# KiCad board AppleII.kicad_pcb (continued)
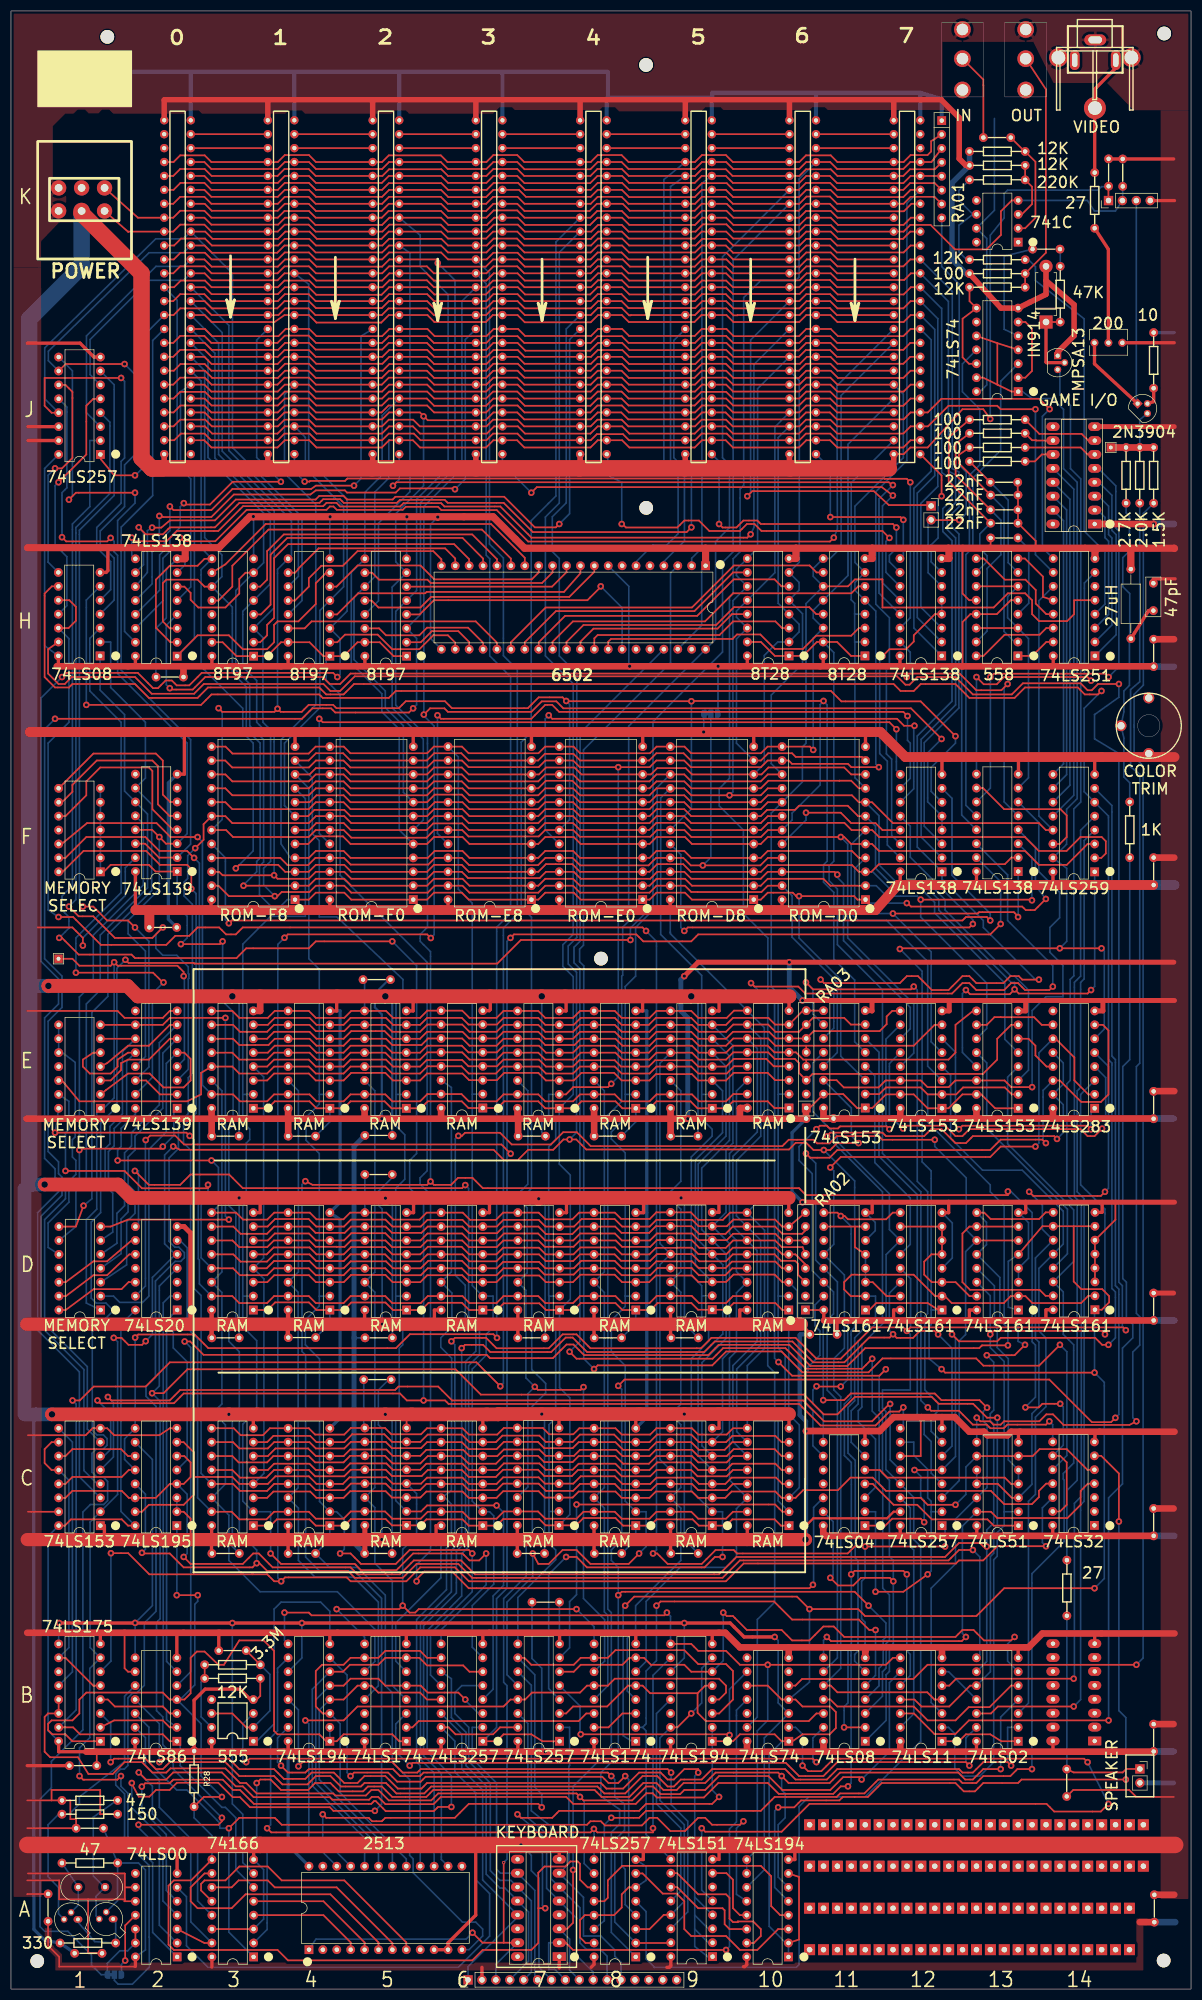
[diagram p0: board, top side]
## Routing (per net, layer and track width the routed paths; a pad name or vN(x,y) marks a point on that pad's centre or on a via; arc(x,y) is an arc through that point) (continued)
KBD_STB: length 50.6
  Top w0.3: v1(104.06,46.51) 131.11,46.51 v1(131.24,46.38)
  Bottom w0.3: v1(131.24,46.38) 131.24,54.74 B10.9 ; v1(104.06,46.51) 103.94,46.63 103.94,51.66 B7.5
LD194: length 166
  Top w0.3: B9.9 124.26,63.02 125.53,61.75 130.61,61.75 133.15,59.21 v1(138.23,59.21) 159.82,59.21 161.09,60.48 B12.8 ; v1(49.96,68.73) 54.41,68.73 54.91,68.23 119.31,68.23 v1(119.81,68.73)
  Bottom w0.3: v1(119.81,68.73) 120.47,68.07 B9.9 ; v1(49.96,68.73) 49.96,63.68 B4.9 ; v1(138.23,59.21) 138.23,49.05 136.32,47.14 136.32,25.58 A10.9 A10.10
MemSelE1: length 85.1
  Bottom w0.3: C1.7 13.94,102.24 13.94,113.64 6.15,121.44 6.15,140.49 9.96,144.3 9.96,146.84 11.86,148.74 11.86,151.28 11.23,151.92 11.23,155.09 11.73,155.6 11.73,169.19 9.58,170.84 E1.10 E1.8
NC1: length 140.8
  Top w0.3: SLOT7.19 164.46,325.96 163.09,324.59 150.95,324.59 149.58,325.96 SLOT6.19 145.21,325.96 143.94,324.69 132,324.69 130.73,325.96 SLOT5.19 126.16,325.96 124.89,324.69 113,324.69 111.73,325.96 SLOT4.19 107.01,325.96 105.69,324.64 93.8,324.64 92.48,325.96 SLOT3.19 88.11,325.96 86.79,324.64 79.88,324.64 78.56,325.96 69.01,325.96 67.69,324.64 55.7,324.64 54.38,325.96 SLOT1.19 50.01,325.96 48.74,324.69 36.65,324.69 35.38,325.96 SLOT0.19
NC2: length 140.4
  Top w0.3: SLOT0.35 29.79,318.34 31.06,319.61 35.43,319.61 36.7,318.34 SLOT1.35 48.79,318.34 50.01,319.56 54.48,319.56 55.7,318.34 SLOT2.35 67.84,318.34 69.06,319.56 78.61,319.56 79.83,318.34 SLOT3.35 86.89,318.34 88.16,319.61 92.43,319.61 93.7,318.34 SLOT4.35 105.94,318.34 107.21,319.61 111.63,319.61 112.9,318.34 SLOT5.35 125.04,318.34 126.26,319.56 130.68,319.56 131.9,318.34 SLOT6.35 144.04,318.34 145.26,319.56 149.68,319.56 150.9,318.34 SLOT7.35
PHI0: length 906
  Top w0.3: v1(154.81,154.46) 150.9,154.46 149.63,153.19 v1(148.46,153.19) 146.58,153.19 145.26,154.51 143.33,154.51 142.11,153.29 105.08,153.29 103.25,155.12 v1(102.03,155.12) 100.91,155.12 99.03,153.24 94.46,153.24 92.53,151.31 90.09,151.31 88.16,153.24 30.86,153.24 v1(29.64,153.85) ; v1(22.66,276.38) 18.85,276.38 16.43,279.3 J1.1 ; v1(163.63,75.72) 162.99,76.35 154.1,76.35 v1(153.47,75.72) ; v1(152.17,47.78) B11.2 ; SLOT7.40 150.85,305.64 149.58,306.91 145.31,306.91 144.04,305.64 SLOT6.40 132.71,305.64 132.66,305.59 131.95,305.59 130.68,306.86 126.16,306.86 124.94,305.64 SLOT5.40 113.26,305.64 113.21,305.59 112.9,305.59 111.53,306.96 107.21,306.96 105.89,305.64 SLOT4.40 93.85,305.64 92.63,306.86 88.01,306.86 86.79,305.64 SLOT3.40 77.24,305.64 76.02,306.86 68.96,306.86 67.74,305.64 SLOT2.40 55.6,305.64 54.38,306.86 50.06,306.86 48.84,305.64 SLOT1.40 36.65,305.64 35.43,306.86 30.91,306.86 29.69,305.64 SLOT0.40 ; v1(24.61,118.29) 23.95,117.63 21.46,117.63 20.19,118.9 v1(18.77,118.9) ; E11.14 150.8,165.94 152.12,164.62 158.47,164.62 159.74,165.89 E12.14 166.19,165.89 167.41,164.67 171.27,164.67 172.49,165.89 E13.14 181.48,165.89 182.7,164.67 v1(186.51,164.67) ; v1(12.52,38.89) 13.18,38.23 19.43,38.23 v1(20.09,38.89)
  Bottom w0.3: v1(186.51,164.67) 186.51,178.64 189.05,181.18 192.15,181.18 192.15,186.92 189.76,189.31 189.76,193.83 191.54,195.61 191.54,200.23 187.73,204.04 187.73,212.98 F13.6 ; E11.14 153.49,160.86 153.49,155.78 v1(154.81,154.46) ; B12.10 164.26,57.23 164.26,61.11 163.63,61.75 v1(163.63,75.72) ; A2.1 25.88,10.34 25.88,23.09 21.36,27.61 21.36,35.74 20.09,37.01 v1(20.09,38.89) ; v1(24.61,118.29) 25.83,119.51 25.83,129.92 30.05,134.14 D2.5 30,134.14 28.07,136.07 28.07,152.27 v1(29.64,153.85) ; v1(102.03,155.12) 103.3,156.39 103.3,185.65 101.78,187.17 101.78,190.42 103.35,192 103.35,240.21 100.15,243.41 100.15,261.19 98.88,262.46 98.88,268.81 101.42,271.35 101.42,303.1 SLOT4.40 ; v1(12.52,38.89) 12.52,44.02 14.4,45.9 14.4,58.55 B1.7 14.45,62.36 14.45,85.27 C1.2 19.48,90.3 19.48,118.19 v1(18.77,118.9) ; v1(152.17,47.78) 152.17,51.54 152.88,52.25 152.88,62.41 153.49,63.02 153.49,75.69 v1(153.47,75.72) 153.49,75.74 153.49,96.14 152.22,97.41 152.22,106.81 153.44,108.03 153.44,120.12 154.1,120.78 154.1,147.55 v1(148.46,153.19) ; 22.68,276.33 22.66,276.3 v1(22.66,276.38) 22.73,276.38 24.56,278.21 24.56,302.21 SLOT0.40 ; 16.54,279.32 J1.1
PHI1: length 798.4
  Top w0.3: SLOT7.38 150.9,310.72 149.58,312.04 145.31,312.04 143.99,310.72 SLOT6.38 131.85,310.72 130.63,311.94 126.21,311.94 124.99,310.72 SLOT5.38 112.85,310.72 111.58,311.99 107.21,311.99 105.94,310.72 SLOT4.38 93.8,310.72 92.58,311.94 88.06,311.94 86.84,310.72 SLOT3.38 77.24,310.72 75.97,311.99 69.11,311.99 67.84,310.72 SLOT2.38 55.7,310.72 54.48,311.94 49.96,311.94 48.74,310.72 SLOT1.38 36.65,310.72 35.43,311.94 31.01,311.94 29.79,310.72 SLOT0.38 ; v1(49.96,191.95) 50.57,192.56 76.02,192.56 v1(76.68,191.9) ; v1(169.98,228.24) 164.39,233.83 100.89,233.83 99.62,235.1 96.95,235.1 95.05,233.2 79.81,233.2 79.17,233.83 76.56,233.83 v1(75.41,232.69) ; v1(18.26,79.58) 21.41,79.58 25.27,75.72 46.81,75.72 48.08,74.45 v1(49.35,74.45) 50.06,75.16 61.34,75.16 62.05,74.45 72.21,74.45 74.75,76.99 81.1,76.99 83.64,74.45 130.58,74.45 133.83,77.7 172.59,77.7 173.15,78.26 177.57,78.26 180.16,80.85 v1(189.05,80.85)
  Bottom w0.3: v1(169.98,228.24) 167.44,225.7 167.44,216.76 F12.5 F12.4 ; v1(49.35,74.45) 48.74,75.06 48.74,190.73 v1(49.96,191.95) ; H2.5 32.84,256.01 32.84,275.72 30.35,278.21 30.35,308.36 SLOT0.38 ; v1(189.05,80.85) 188.39,81.51 188.39,87.86 C14.12 ; B1.6 18.26,59.87 v1(18.26,79.58) ; SLOT3.38 82.37,308.18 82.37,277.65 75.41,270.69 v1(75.41,232.69) 75.41,232.49 77.29,230.61 77.29,192.51 v1(76.68,191.9)
Q3: length 448.1
  Top w0.3: v1(88.77,118.9) 88.11,119.56 72.87,119.56 70.33,117.02 36.04,117.02 33.55,119.51 23.24,119.51 v1(22.68,118.95) ; SLOT7.37 150.9,313.26 149.63,314.53 145.26,314.53 143.99,313.26 SLOT6.37 131.8,313.26 130.58,314.48 126.16,314.48 124.94,313.26 SLOT5.37 112.8,313.26 111.53,314.53 107.16,314.53 105.89,313.26 SLOT4.37 93.75,313.26 92.48,314.53 88.11,314.53 86.84,313.26 SLOT3.37 77.24,313.26 75.97,314.53 69.06,314.53 67.79,313.26 SLOT2.37 55.7,313.26 54.43,314.53 49.96,314.53 48.69,313.26 SLOT1.37 36.65,313.26 35.38,314.53 30.91,314.53 29.64,313.26 SLOT0.37 ; C2.12 21.51,94.77 20.24,93.5 11.23,93.5 9.96,92.23 C1.13
  Bottom w0.3: v1(22.68,118.95) C2.9 20.75,100.46 20.75,96.7 C2.12 ; v1(88.77,118.9) 88.72,118.95 88.72,193.88 91.26,196.42 91.26,239.6 87.45,243.41 87.45,261.14 86.79,261.8 86.79,311.38 SLOT3.37
RA0: length 434.6
  Top w0.3: E3.10 40.56,176.05 41.83,174.78 46.79,174.78 48.06,176.05 E4.10 54.53,176.05 55.68,174.9 60.88,174.9 62.03,176.05 E5.10 68.38,176.05 69.65,174.78 74.73,174.78 76.05,176.1 E6.10 82.42,176.1 83.74,174.78 88.7,174.78 89.97,176.05 E7.10 96.32,176.05 97.59,174.78 102.67,174.78 103.94,176.05 E8.10 110.29,176.05 111.56,174.78 116.64,174.78 117.91,176.05 E9.10 124.38,176.05 125.65,174.78 130.61,174.78 131.93,176.1 E10.10 138.3,176.1 139.62,174.78 143.94,174.78 RA03.7 146.48,177.32 152.2,177.32 153.42,176.1 E11.7 ; RA02.7 145.11,138.51 144.5,137.9 140.89,137.9 139.57,139.22 D10.10 131.85,139.22 130.51,137.88 125.67,137.88 124.28,139.27 D9.10 117.78,139.27 116.58,138.07 111.51,138.07 110.36,139.22 D8.10 103.91,139.22 102.54,137.85 97.71,137.85 96.34,139.22 D7.10 89.99,139.22 88.77,138 83.69,138 82.47,139.22 D6.10 76.12,139.22 74.97,138.07 69.6,138.07 68.45,139.22 D5.10 62.1,139.22 60.95,138.07 55.63,138.07 54.48,139.22 D4.10 48.08,139.22 46.76,137.9 41.94,137.9 40.61,139.22 D3.10 ; C3.10 40.56,99.85 41.71,98.7 46.91,98.7 48.06,99.85 C4.10 54.53,99.85 55.68,98.7 60.88,98.7 62.08,99.9 C5.10 68.45,99.9 69.6,98.75 74.9,98.75 76,99.85 C6.10 82.35,99.85 83.62,98.58 88.7,98.58 90.02,99.9 C7.10 96.27,99.9 97.42,98.75 102.58,98.75 103.68,99.85 C8.10 110.41,99.85 111.8,98.46 116.52,98.46 117.91,99.85 C9.10 124.26,99.85 125.65,98.46 130.36,98.46 131.75,99.85 C10.10
  Bottom w0.3: C10.10 132.56,101.78 132.56,113.21 136.93,117.58 136.93,136.73 D10.10 132.51,141.15 132.51,151.28 136.96,155.73 136.96,173.63 E10.10
RA1: length 449.5
  Top w0.3: 145.21,172.24 139.62,172.24 138.3,173.56 E10.11 131.93,173.56 130.61,172.24 125.65,172.24 124.38,173.51 E9.11 117.91,173.51 116.64,172.24 111.68,172.24 110.41,173.51 E8.11 104.06,173.51 102.91,172.36 97.59,172.36 96.44,173.51 E7.11 89.97,173.51 88.7,172.24 83.74,172.24 82.42,173.56 E6.11 76.17,173.56 74.97,172.36 69.65,172.36 68.5,173.51 E5.11 62.03,173.51 60.76,172.24 55.8,172.24 54.53,173.51 E4.11 48.18,173.51 47.04,172.36 44.63,172.36 44.62,172.36 41.71,172.36 40.56,173.51 E3.11 ; 145.21,172.24 145.26,172.19 RA03.5 ; 145.21,172.24 164.9,172.24 168.71,176.05 E12.7 ; C3.11 40.44,97.31 41.59,96.16 46.78,96.16 47.93,97.31 C4.11 54.41,97.31 55.56,96.16 60.75,96.16 61.95,97.36 C5.11 68.33,97.36 69.72,95.97 74.78,95.97 76.12,97.31 C6.11 82.22,97.31 83.61,95.92 88.58,95.92 90.02,97.36 C7.11 96.27,97.36 97.42,96.21 102.58,96.21 103.68,97.31 C8.11 110.41,97.31 111.8,95.92 116.52,95.92 117.91,97.31 C9.11 124.38,97.31 125.53,96.16 130.73,96.16 131.88,97.31 C10.11 ; RA02.5 144.6,135.46 140.79,135.46 139.57,136.68 D10.11 131.9,136.68 130.56,135.34 125.72,135.34 124.33,136.73 D9.11 117.98,136.73 116.76,135.51 111.63,135.51 110.46,136.68 D8.11 103.91,136.68 102.76,135.53 97.49,135.53 96.34,136.68 D7.11 89.94,136.68 88.72,135.46 83.64,135.46 82.42,136.68 D6.11 76.02,136.68 74.8,135.46 69.62,135.46 68.4,136.68 D5.11 62.1,136.68 60.93,135.51 59.51,135.51 59.49,135.53 55.63,135.53 54.48,136.68 D4.11 48.03,136.68 46.81,135.46 41.68,135.46 40.46,136.68 D3.11
  Bottom w0.3: C10.11 131.85,99.95 131.85,113.82 136.27,118.24 136.27,134.85 D10.11 131.88,139.24 131.88,152.04 136.32,156.49 136.32,171.73 E10.11
RA01-8: length 76.3
  Top w0.3: v1(173.2,268.2) 168.07,268.2 168.02,268.25
  Bottom w0.3: 173.25,268.2 v1(173.2,268.2) 173.2,268.15 173.25,268.2 ; 173.25,268.2 174.47,269.42 174.47,276.99 173.2,278.26 173.2,311.28 170,314.48 RA01.8 ; JP-User1.2 167.51,267.69 167.51,258.6 H12.6
RA2: length 467.6
  Top w0.3: C10.12 131.88,94.77 130.73,93.62 125.41,93.62 124.26,94.77 C9.12 117.91,94.77 116.76,93.62 111.56,93.62 110.41,94.77 C8.12 103.56,94.77 102.46,93.67 97.42,93.67 96.27,94.82 C7.12 89.89,94.82 88.57,93.5 83.62,93.5 82.35,94.77 C6.12 76.12,94.77 75.02,93.67 69.6,93.67 68.45,94.82 C5.12 62.08,94.82 60.88,93.62 55.56,93.62 54.41,94.77 C4.12 48.06,94.77 46.67,93.38 41.83,93.38 40.44,94.77 C3.12 ; E3.12 40.44,170.97 41.71,169.7 46.79,169.7 48.06,170.97 E4.12 54.53,170.97 55.8,169.7 60.76,169.7 62.03,170.97 E5.12 68.38,170.97 69.65,169.7 74.73,169.7 76.05,171.02 E6.12 82.42,171.02 83.74,169.7 88.7,169.7 89.97,170.97 E7.12 96.32,170.97 97.59,169.7 102.79,169.7 104.06,170.97 E8.12 110.41,170.97 111.68,169.7 116.64,169.7 117.91,170.97 E9.12 124.38,170.97 125.65,169.7 130.61,169.7 131.93,171.02 E10.12 138.3,171.02 139.5,169.82 143.18,169.82 143.94,169.06 143.94,167.26 RA03.3 146.41,167.09 177.53,167.09 180.14,169.7 180.14,173.51 182.68,176.05 E13.7 ; D3.12 40.61,134.14 41.94,132.82 46.76,132.82 48.08,134.14 D4.12 54.53,134.14 55.75,132.92 60.78,132.92 62,134.14 D5.12 68.35,134.14 69.62,132.87 74.8,132.87 76.07,134.14 D6.12 82.47,134.14 83.74,132.87 88.67,132.87 89.94,134.14 D7.12 96.44,134.14 97.66,132.92 102.69,132.92 103.91,134.14 D8.12 110.26,134.14 111.43,132.97 116.76,132.97 117.98,134.19 D9.12 124.38,134.19 125.7,132.87 130.58,132.87 131.85,134.14 D10.12 139.47,134.14 140.64,132.97 143.23,132.97 143.79,132.41 143.79,130.38 RA02.3
  Bottom w0.3: C9.12 118.54,96.7 118.54,132.26 D9.12 118.54,136.12 118.54,169.04 E9.12
RA3: length 408.9
  Top w0.3: RA02.8 D10.7 140.84,139.22 139.57,140.49 131.95,140.49 130.73,139.27 D9.7 125.6,139.27 124.43,140.44 117.88,140.44 116.66,139.22 D8.7 111.63,139.22 110.26,140.59 104.22,140.59 102.84,139.22 D7.7 97.61,139.22 96.39,140.44 89.94,140.44 88.72,139.22 D6.7 83.69,139.22 82.47,140.44 76.07,140.44 74.85,139.22 D5.7 69.67,139.22 68.4,140.49 62.1,140.49 60.83,139.22 D4.7 55.75,139.22 54.38,140.59 48.23,140.59 46.86,139.22 D3.7 ; C10.7 140.77,99.85 139.62,101 131.76,101 130.61,99.85 C9.7 125.65,99.85 124.26,101.24 118.03,101.24 116.64,99.85 C8.7 111.56,99.85 110.17,101.24 103.93,101.24 102.59,99.9 C7.7 97.66,99.9 96.51,101.05 89.77,101.05 88.57,99.85 C6.7 83.74,99.85 82.35,101.24 76.12,101.24 74.78,99.9 C5.7 69.6,99.9 68.21,101.29 62.32,101.29 60.88,99.85 C4.7 55.8,99.85 54.65,101 47.94,101 46.79,99.85 C3.7 ; E3.7 46.91,176.05 48.18,177.32 54.53,177.32 55.8,176.05 E4.7 60.76,176.05 62.03,177.32 68.5,177.32 69.77,176.05 E5.7 74.73,176.05 76,177.32 82.35,177.32 83.57,176.1 E6.7 88.75,176.1 89.97,177.32 96.32,177.32 97.59,176.05 E7.7 102.79,176.05 104.06,177.32 110.29,177.32 111.56,176.05 E8.7 116.51,176.05 117.78,177.32 124.26,177.32 125.53,176.05 E9.7 130.61,176.05 131.88,177.32 138.35,177.32 139.57,176.1 E10.7 144.65,178.64 RA03.8 E11.9
  Bottom w0.3: E9.7 131.88,172.26 131.88,154.46 130.61,153.19 130.61,141.78 D9.7 131.24,136.12 131.24,116.36 129.97,115.09 129.97,101.73 C9.7
RA4: length 425.5
  Top w0.3: C3.6 46.91,97.31 48.3,98.7 54.29,98.7 55.68,97.31 C4.6 60.76,97.31 61.96,98.51 68.57,98.51 69.72,97.36 C5.6 74.78,97.36 75.88,98.46 82.59,98.46 83.74,97.31 C6.6 88.82,97.31 90.02,98.51 96.51,98.51 97.66,97.36 C7.6 102.84,97.36 103.94,98.46 110.53,98.46 111.68,97.31 C8.6 116.64,97.31 117.79,98.46 124.38,98.46 125.53,97.31 C9.6 130.73,97.31 132,98.58 139.5,98.58 140.77,97.31 C10.6 ; E12.9 160.96,178.59 159.94,177.57 159.94,176.17 158.67,174.9 146.61,174.9 RA03.6 E10.6 139.7,173.56 138.48,174.78 131.88,174.78 130.61,173.51 E9.6 125.53,173.51 124.26,174.78 117.91,174.78 116.64,173.51 E8.6 111.56,173.51 110.29,174.78 103.94,174.78 102.67,173.51 E7.6 97.59,173.51 96.32,174.78 89.97,174.78 88.75,173.56 E6.6 83.69,173.56 82.47,174.78 76,174.78 74.73,173.51 E5.6 69.65,173.51 68.25,174.9 66.6,174.9 66.59,174.9 62.15,174.9 60.76,173.51 E4.6 55.8,173.51 54.53,174.78 48.06,174.78 46.79,173.51 E3.6 ; D3.6 46.91,136.68 48.18,137.95 54.43,137.95 55.7,136.68 D4.6 60.83,136.68 62.15,138 68.4,138 69.72,136.68 D5.6 74.8,136.68 76.07,137.95 82.42,137.95 83.69,136.68 D6.6 88.77,136.68 90.04,137.95 96.29,137.95 97.56,136.68 D7.6 102.69,136.68 103.96,137.95 110.31,137.95 111.58,136.68 D8.6 116.71,136.68 117.98,137.95 124.38,137.95 125.6,136.73 D9.6 130.73,136.73 131.9,137.9 139.62,137.9 140.84,136.68 D10.6 RA02.6
  Bottom w0.3: E9.6 131.24,170.36 131.24,154.97 126.16,149.89 126.16,138.66 D9.6 130.63,134.19 130.63,118.8 126.21,114.38 126.21,99.19 C9.6
RA5: length 446.1
  Top w0.3: E3.5 46.91,170.97 48.18,172.24 54.53,172.24 55.8,170.97 E4.5 60.76,170.97 62.03,172.24 68.38,172.24 69.65,170.97 E5.5 74.73,170.97 76,172.24 82.35,172.24 83.57,171.02 E6.5 88.75,171.02 89.97,172.24 96.44,172.24 97.71,170.97 E7.5 102.67,170.97 103.94,172.24 110.29,172.24 111.56,170.97 E8.5 116.51,170.97 117.78,172.24 124.38,172.24 125.65,170.97 E9.5 130.61,170.97 131.88,172.24 138.23,172.24 139.45,171.02 E10.5 143.38,171.02 144.7,169.7 145.21,169.7 ; E13.9 175.56,178.46 172.52,176.05 172.52,170.97 171.25,169.7 145.21,169.7 ; 145.21,169.7 145.26,169.65 RA03.4 ; D3.5 46.71,134.14 47.98,135.41 54.53,135.41 55.8,134.14 D4.5 60.78,134.14 62.1,135.46 68.35,135.46 69.67,134.14 D5.5 74.75,134.14 76.14,135.53 82.3,135.53 83.69,134.14 D6.5 88.67,134.14 89.89,135.36 96.44,135.36 97.66,134.14 D7.5 102.74,134.14 104.01,135.41 110.31,135.41 111.58,134.14 D8.5 116.61,134.14 117.81,135.34 121.57,135.34 121.59,135.36 124.38,135.36 125.55,134.19 D9.5 130.68,134.19 131.85,135.36 139.67,135.36 140.89,134.14 D10.5 143.28,134.14 145.11,132.31 RA02.4 ; C3.5 46.91,94.77 48.06,95.92 54.53,95.92 55.68,94.77 C4.5 60.76,94.77 61.96,95.97 68.57,95.97 69.72,94.82 C5.5 74.78,94.82 75.88,95.92 82.47,95.92 83.62,94.77 C6.5 88.82,94.77 90.02,95.97 96.51,95.97 97.66,94.82 C7.5 102.59,94.82 103.69,95.92 110.41,95.92 111.56,94.77 C8.5 116.64,94.77 118.03,96.16 124.14,96.16 125.53,94.77 C9.5 130.61,94.77 131.76,95.92 139.62,95.92 140.77,94.77 C10.5
  Bottom w0.3: C9.5 125.5,97.36 125.5,115.09 130.02,119.61 130.02,132.26 D9.5 125.53,136.75 125.53,150.65 130.61,155.73 130.61,168.45 E9.5
RDY: length 217.5
  Top w0.3: SLOT0.21 35.33,331.04 36.6,329.77 48.74,329.77 50.01,331.04 SLOT1.21 54.43,331.04 55.7,329.77 67.74,329.77 69.01,331.04 78.56,331.04 79.83,329.77 86.84,329.77 88.11,331.04 SLOT3.21 92.48,331.04 93.8,329.72 105.79,329.72 107.11,331.04 SLOT4.21 111.63,331.04 112.9,329.77 124.89,329.77 126.16,331.04 SLOT5.21 130.58,331.04 131.85,329.77 143.99,329.77 145.26,331.04 SLOT6.21 149.58,331.04 150.9,329.72 162.99,329.72 164.31,331.04 SLOT7.21 169.95,331.04 RA01.5
  Bottom w0.3: H7.2 124.33,261.24 126.21,263.12 126.21,329.72 SLOT5.21
ROM_SELECT_D0: length 26.1
  Top w0.3: F12.13 159.18,211.61 157.91,212.88 153.47,212.88 151.56,214.78 v1(145.21,214.78)
  Bottom w0.3: v1(145.21,214.78) 145.21,213.44 ROM-D0.20
ROM_SELECT_D8: length 95.3
  Top w0.3: v1(122.99,193.19) 123.62,193.83 175.06,193.83 v1(175.69,194.46)
  Bottom w0.3: F12.12 164.26,212.32 164.26,206.65 175.69,195.22 v1(175.69,194.46) ; v1(122.99,193.19) 122.35,193.83 122.35,207.14 ROM-D8.20
ROM_SELECT_E0: length 107.5
  Top w0.3: v1(98.22,232.56) 98.86,231.93 161.85,231.93 163.12,230.66 v1(165.02,230.66)
  Bottom w0.3: v1(98.22,232.56) 97.59,231.93 97.59,211.63 ROM-E0.20 ; v1(165.02,230.66) 164.9,230.53 164.9,219.15 F12.11
ROM_SELECT_E8: length 126.5
  Top w0.3: v1(163.75,232.44) 162.99,233.2 100.13,233.2 98.86,234.47 97.59,234.47 95.05,231.93 78.54,231.93 v1(77.9,232.56)
  Bottom w0.3: v1(77.9,232.56) 77.9,211 ROM-E8.20 ; v1(163.75,232.44) 163.75,227.99 164.26,227.48 164.26,221.06 F12.10
ROM_SELECT_F0: length 138.4
  Top w0.3: v1(161.72,230.02) 160.45,231.29 56.95,231.29 v1(56.31,231.93)
  Bottom w0.3: ROM-F0.20 56.31,211 v1(56.31,231.93) ; F12.9 162.43,221.82 161.72,222.53 v1(161.72,230.02)
ROM_SELECT_F8: length 183.4
  Top w0.3: v1(39.8,194.59) 40.31,195.1 173.79,195.1 174.42,195.73 178.23,195.73 v1(178.87,195.1)
  Bottom w0.3: v1(178.87,195.1) 178.87,196.37 171.88,203.35 171.88,217.4 F12.7 ; v1(39.8,194.59) 39.17,195.22 39.17,206.55 ROM-F8.20
RRW: length 453.1
  Top w0.3: D3.3 46.81,129.06 48.08,130.33 54.43,130.33 55.7,129.06 D4.3 60.78,129.06 62.1,130.38 68.4,130.38 69.72,129.06 D5.3 74.75,129.06 76.02,130.33 82.42,130.33 83.69,129.06 D6.3 88.67,129.06 89.89,130.28 96.49,130.28 97.71,129.06 D7.3 102.64,129.06 104.01,130.43 110.26,130.43 111.63,129.06 D8.3 116.56,129.06 117.78,130.28 124.38,130.28 125.55,129.11 D9.3 130.63,129.11 131.97,130.45 139.5,130.45 140.89,129.06 D10.3 ; C3.3 46.79,89.69 47.94,90.84 54.65,90.84 55.8,89.69 C4.3 60.76,89.69 61.96,90.89 68.45,90.89 69.6,89.74 C5.3 74.78,89.74 75.88,90.84 82.47,90.84 83.62,89.69 C6.3 88.7,89.69 89.9,90.89 96.39,90.89 97.54,89.74 C7.3 102.59,89.74 103.69,90.84 110.41,90.84 111.56,89.69 C8.3 116.64,89.69 117.79,90.84 124.38,90.84 125.53,89.69 C9.3 130.48,89.69 131.63,90.84 139.62,90.84 140.77,89.69 C10.3 143.31,89.69 144.7,91.08 151.05,91.08 153.35,93.38 157.4,93.38 159.82,90.96 178.99,90.96 181.41,88.54 186.48,88.54 187.76,89.81 187.76,90.96 189.08,92.28 C14.11 ; E10.3 139.57,165.94 138.23,167.28 132,167.28 130.61,165.89 E9.3 125.53,165.89 124.38,167.04 117.79,167.04 116.64,165.89 E8.3 111.56,165.89 110.17,167.28 104.18,167.28 102.79,165.89 E7.3 97.71,165.89 96.32,167.28 90.09,167.28 88.75,165.94 E6.3 83.69,165.94 82.47,167.16 76,167.16 74.73,165.89 E5.3 69.77,165.89 68.38,167.28 64.82,167.28 64.81,167.28 62.15,167.28 60.76,165.89 E4.3 55.68,165.89 54.41,167.16 48.06,167.16 46.79,165.89 E3.3
  Bottom w0.3: E9.3 129.97,164.01 129.97,156.36 125.02,151.41 125.02,132.18 D9.3 ; D10.3 143.59,127.53 143.59,121.44 142.06,121.44 142.06,104.93 143.99,103 143.99,91.57 C10.3
R~{W}: length 735.6
  Top w0.3: v1(185.29,106.2) 187.73,106.2 188.39,106.86 v1(191.64,106.86) ; C14.9 191.64,97.36 192.84,96.16 192.84,88.42 191.62,87.2 C14.13 ; v1(66.47,32.54) 58.9,32.54 58.24,33.2 43.66,33.2 41.83,35.03 40.51,35.03 37.87,37.67 30.3,37.67 28.98,36.35 26.49,36.35 25.27,35.13 23.34,35.13 22.07,37.46 v1(22.07,37.62) ; v1(182.09,145.62) 182.09,144.96 145.21,144.96 143.94,146.23 86.18,146.23 84.3,148.11 81.66,148.11 80.39,146.84 77.24,146.84 v1(76.63,147.45) 76.02,146.84 55.09,146.84 v1(53.77,147.5) ; SLOT0.18 35.33,323.42 36.6,322.15 48.79,322.15 50.06,323.42 SLOT1.18 54.28,323.42 55.6,322.1 67.79,322.1 69.11,323.42 78.56,323.42 79.88,322.1 86.94,322.1 88.27,323.42 SLOT3.18 92.58,323.42 93.9,322.1 105.79,322.1 107.11,323.42 SLOT4.18 111.63,323.42 112.95,322.1 124.94,322.1 126.26,323.42 SLOT5.18 130.63,323.42 131.95,322.1 144.04,322.1 145.36,323.42 SLOT6.18 149.73,323.42 151.05,322.1 163.04,322.1 164.36,323.42 SLOT7.18
  Bottom w0.3: v1(185.29,106.2) 185.29,106.25 187.12,108.08 187.12,117.58 186.51,118.19 186.51,141.76 182.65,145.62 v1(182.09,145.62) ; v1(76.63,147.45) 76.63,189.41 74.75,191.29 74.75,192.56 76.07,193.88 76.07,228.63 70.28,234.42 70.28,251.54 H5.5 74.09,255.35 74.09,272.01 79.83,277.75 79.83,309.4 74.75,314.48 74.75,320.22 70.92,323.42 ; v1(53.77,147.5) 53.16,146.89 53.16,116.41 53.82,115.75 53.82,78.87 56.31,76.38 62.66,76.38 67.69,71.35 67.69,33.76 v1(66.47,32.54) ; v1(22.07,37.62) 22.07,33.1 27.76,27.41 27.76,16.08 A2.4 ; v1(191.64,106.86) 192.2,106.3 192.2,99.29 C14.9
SOFT5: length 1036.7
  Top w0.3: 180.2,292.92 180.16,292.96 180.16,300.51 ; 180.2,292.92 177.57,294.21 J13.13 ; 180.2,292.92 182.75,291.67 J13.1 ; v1(129.34,35.08) 128.07,33.81 116,33.81 114.73,32.54 100.13,32.54 98.86,31.27 93.14,31.27 v1(92.51,31.9) ; B1.1 11.23,45.24 9.96,46.51 7.54,46.51 6.78,47.27 6.78,48.41 7.42,49.05 11.23,49.05 12.5,50.32 12.5,52.86 13.77,54.13 27.74,54.13 29.01,52.86 B2.4 31.67,52.86 32.82,54 32.82,60.48 33.96,61.62 35.36,61.62 37.9,59.21 38.91,59.21 39.17,59.63 41.71,63.65 46.15,63.65 48.06,61.75 48.06,47.14 48.69,46.51 56.31,46.51 57.58,45.24 B4.1 59.49,45.24 60.76,46.51 69.65,46.51 70.92,45.24 B5.1 ; 194.11,139.27 D14.7 ; 194.11,139.27 194.11,129.18 195.5,127.79 199.31,127.79 200.58,126.52 200.58,125.37 199.24,124.03 D14.1 ; 194.11,139.27 D14.10 188.39,139.27 D13.5 ; v1(38.53,35.08) 35.23,35.08 R28.2 ; A8.11 105.33,18.57 103.94,19.96 103.94,22.89 103.53,23.29 102.18,23.29 101.27,22.38 97.46,22.38 96.32,21.23 96.32,14.76 ; B9.1 131.88,45.24 133.15,46.51 139.5,46.51 140.77,45.24 B10.1 142.93,45.36 144.58,46.51 149.53,46.51 150.67,47.65 150.67,50.57 149.66,51.59 144.58,51.59 143.31,52.86 B10.4 140.77,52.86 138.23,55.4 B10.10 ; v1(112.19,70) 113.84,71.65 143.56,71.65 v1(145.85,69.37) 154.74,69.37 156.01,68.1 176.33,68.1 181.41,73.18 v1(197.92,73.18) ; A10.2 143.94,9.04 143.94,20.47 A10.7 ; 96.32,14.76 96.32,8.41 95.05,7.14 86.16,7.14 84.25,5.23 50.6,5.23 48.69,7.14 29.74,7.14 28.78,8.1 28.78,18.87 29.74,19.84 32.89,19.84 A3.9 ; 96.32,14.76 v1(97.59,14.76) ; v1(197.92,112.55) 170.61,112.55 v1(169.98,113.18) ; v1(30.28,71.91) v1(34.11,71.91) ; v1(162.36,189.89) 162.48,190.02 v1(191.57,190.02) v1(199.19,190.02) ; D12.1 169.21,124.1 167.44,125.25 158.04,125.25 156.77,123.98 D11.1 ; J13.4 180.16,300.51 ; 180.16,300.51 J13.10
  Bottom w0.3: B10.1 140.89,45.24 138.48,42.82 138.48,11.46 141.53,8.41 A10.2 A10.1 ; v1(30.28,71.91) 30.3,71.93 C2.1 ; v1(199.19,190.02) 199.69,189.51 199.69,175.26 E14.6 ; B8.1 113.21,45.36 111.81,46.25 111.81,69.62 v1(112.19,70) ; 168.07,123.98 168.07,121.31 167.69,120.93 167.69,115.09 v1(169.98,113.18) ; 168.07,123.98 D12.1 ; 168.07,123.98 168.07,149.38 166.42,151.03 166.42,185.83 v1(162.36,189.89) ; v1(34.11,71.91) 34.11,70.79 33.58,70.26 33.58,55.52 30.91,52.86 B2.4 34.72,48.44 34.72,38.89 v1(38.53,35.08) ; R28.2 33.45,31.27 36.7,28.02 A3.9 ; v1(97.59,14.76) 97.08,15.27 97.08,27.97 v1(92.51,31.9) ; D14.1 197.92,123.95 v1(197.92,112.55) 199.69,110.77 199.69,74.96 v1(197.92,73.18) ; D13.1 182.17,124.49 182.17,132.87 D13.5 ; B10.4 145.85,56.03 v1(145.85,69.37) ; B4.2 B4.1 ; v1(129.34,35.08) 128.09,36.32 B9.1 B9.2 ; J13.1 184.79,291.62 186.51,290.4 190.27,290.4 192.25,288.42 192.25,277.6 194.74,275.11 194.74,217.35 192.81,215.42 192.81,209.02 F14.15 192.84,204.62 192.84,191.29 v1(191.57,190.02)
SS-GR_~{TXT}: length 180.9
  Top w0.3: v1(194.11,51.59) 180.26,51.59 178.99,50.32 B13.12
  Bottom w0.3: v1(194.11,51.59) 195.38,52.86 195.38,88.42 196,89.04 196,144.31 194.74,145.57 194.74,163.98 195.38,164.62 195.38,183.79 196.01,184.43 196.01,209.68 F14.4
SS-HI_~{LORES}: length 390.3
  Top w0.3: v1(110.92,71.91) 111.56,72.54 154.1,72.54 v1(156.64,70) ; v1(110.92,110.13) 112.06,111.28 189.66,111.28 197.44,103.5 200.93,103.5 v1(201.73,104.29)
  Bottom w0.3: F14.7 201.09,216.08 201.09,170.33 201.73,169.7 201.73,128.42 202.36,127.79 202.36,104.93 v1(201.73,104.29) ; A8.1 109.65,10.34 109.65,28.6 111.18,30.12 111.18,32.79 107.75,35.2 107.75,39.52 110.92,42.7 v1(110.92,71.91) 110.92,76.99 109.65,78.26 109.65,80.16 111.56,82.07 111.56,109.5 v1(110.92,110.13) ; B11.4 158.55,55.37 158.55,58.57 159.31,59.33 159.31,63.78 159.82,64.29 159.82,66.83 v1(156.64,70)
SS-Mix_~{NoMix}: length 184.7
  Top w0.3: v1(194.11,56.67) 172.64,56.67 171.37,55.4 B12.5
  Bottom w0.3: v1(194.11,56.67) 194.23,56.79 194.23,88.67 195.5,89.94 195.5,143.41 194.23,144.68 194.23,183.79 195.38,184.94 195.38,211.58 F14.5
